# KiCad board V1.2.kicad_pcb (continued)
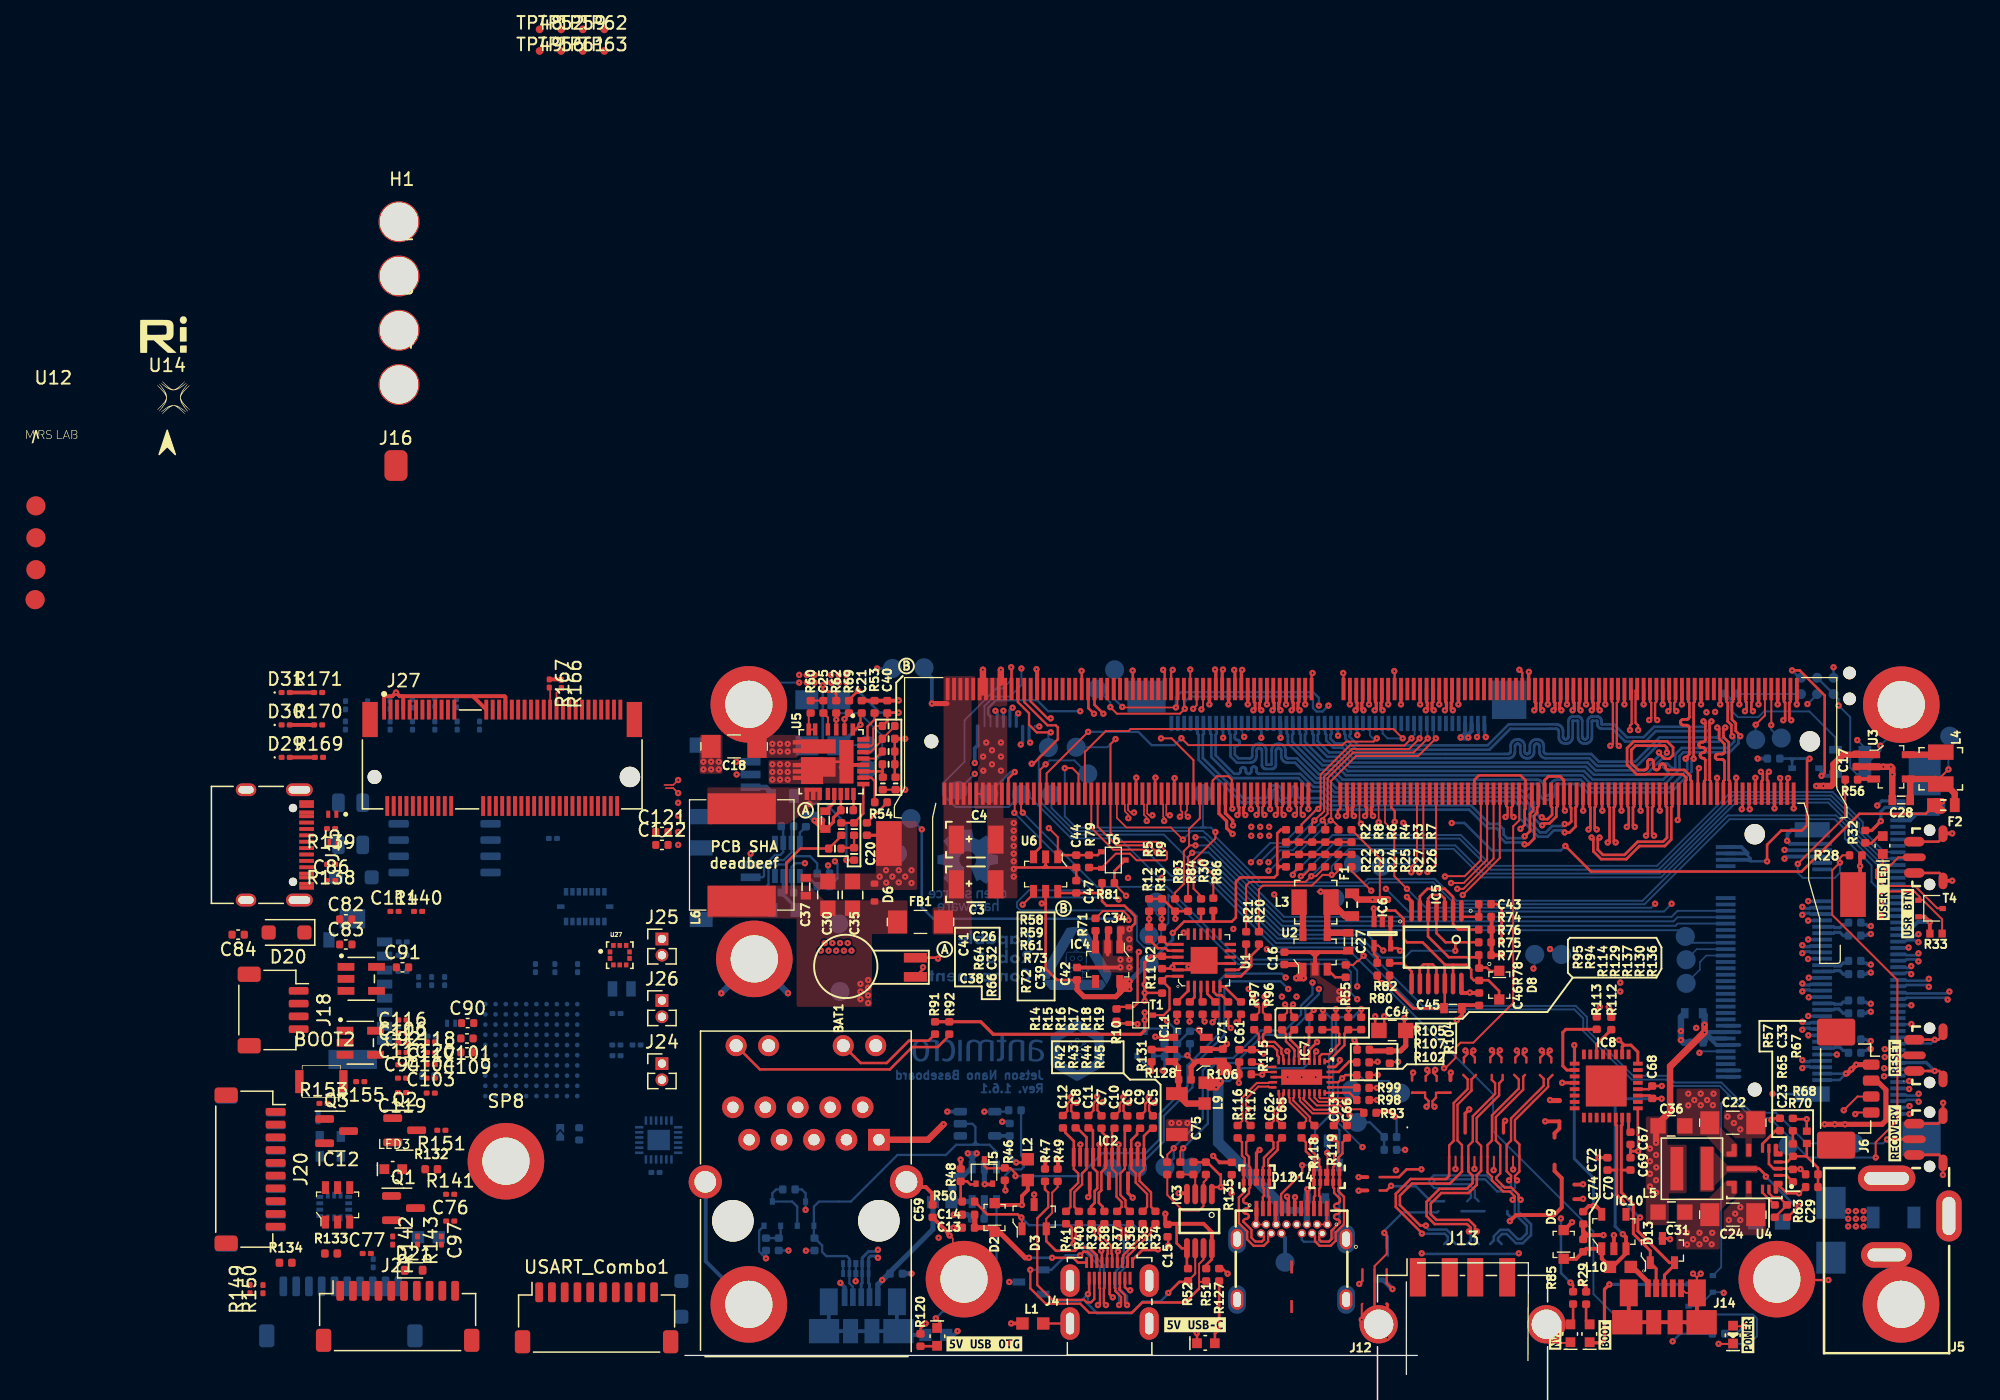
[diagram p0: board, top side]
## Routing (per net, layer and track width the routed paths; a pad name or vN(x,y) marks a point on that pad's centre or on a via; arc(x,y) is an arc through that point) (continued)
VDD_MOD: length 4
  Top w0.4: v1(19.33,52.55) 20.52,52.55
  Bottom w0.3: v1(19.33,52.55) 19.33,54.55 18.75,55.13
VIN:
  vias: v1(10.64,33.2) v1(10.94,33.8) v1(11.24,33.2) v1(11.44,54.8) v1(11.44,54.2) v1(11.54,33.8) v1(11.84,33.2) v1(12.04,54.8) v1(12.04,54.2) v1(12.14,33.8) v1(12.44,33.2) v1(12.64,54.8) v1(12.64,54.2) v1(12.74,33.8) v1(13.04,33.2) v1(91.09,12.8) v1(91.09,12.2) v1(91.09,11.6) v1(91.69,12.8) v1(91.69,12.2) v1(91.69,11.6) v1(92.29,12.8) v1(92.29,12.2) v1(92.29,11.6)
(no net): length 246.1
  Top w0.15: 54,8.24 54,8.49 54.95,9.44 54.95,9.94
  Top w0.18: 64.03,23.47 64.03,23.09 63.76,22.81 63.76,21.86 62,20.1 62,18.25 62.34,17.9 62.34,17.06 ; v1(65.16,15.2) 65,15.36 65,15.55 65.34,15.9 65.34,18.02 64.99,18.38 64.99,19.93 67.59,22.53 67.59,23.12 67.94,23.47 ; 58.81,22.08 58.81,21.69 58.54,21.41 58.54,21.06 58.62,20.97 v1(58.7,20.97) ; 57.96,22.08 57.96,21.69 58.23,21.41 58.23,21.06 58.14,20.97 v1(58.07,20.97) ; v1(64.53,15.2) 64.69,15.36 64.69,15.57 64.34,15.92 64.34,17.97 64.69,18.31 64.69,20.06 67.24,22.61 67.24,23.17 66.94,23.47 ; v1(54.77,11.09) 54.95,10.91 54.95,9.94 ; 59.84,17.06 59.84,17.95 60.19,18.3 60.19,21.26 61.29,22.36 61.29,23.12 60.94,23.47 ; 65.79,23.47 65.64,23.32 65.64,22.31 63.5,20.17 63.5,18.32 63.84,17.97 63.84,15.76 63.53,15.45 63.53,15.3 64.19,14.64 64.71,14.64 65.28,14.07 65.28,13.84 v1(65.44,13.68) ; 60.84,17.06 60.84,17.97 60.5,18.32 60.5,21.13 61.59,22.23 61.59,23.12 61.94,23.47 ; 64.93,23.47 65.29,23.11 65.29,22.4 63.19,20.3 63.19,18.32 62.84,17.97 62.84,15.82 63.19,15.48 63.19,15.21 64.07,14.34 64.59,14.34 64.97,13.95 64.97,13.84 v1(64.81,13.68) ; 54,8.24 54,3.89 ; 61.34,17.06 61.34,17.9 61.69,18.25 61.69,20.23 63.44,21.98 63.44,22.82 63.18,23.09 63.18,23.47
  Top w0.2: v1(62.02,11.21) 61.87,11.36 61.87,11.62 61.38,12.11 58.83,12.11 58.4,12.54 58.4,13.39 59.22,14.21 61.36,14.21 62.01,14.86 62.01,15.61 62.34,15.95 62.34,17.06 ; 54.4,14.41 54.93,14.41 v1(55.29,14.77) ; 61.34,17.06 61.34,16.24 61.35,16.23 61.35,15.9 61.68,15.57 61.68,14.99 61.23,14.54 59.09,14.54 58.07,13.53 58.07,12.41 58.7,11.78 61.24,11.78 61.54,11.49 61.54,11.36 v1(61.39,11.21) ; 59.84,17.06 59.84,15.55 59.6,15.31 56.83,15.31 55.66,14.14 55.66,13.12 57.72,11.06 57.71,11.04 v1(57.71,11.04) ; 60.84,17.06 60.84,15.9 59.9,14.96 56.93,14.96 55.98,14.01 55.98,13.26 57.58,11.66 v1(58.02,11.66) ; 56.94,22.06 56.96,22.08 57.94,22.08 ; v1(57.67,16.07) 56.51,16.07 55.9,15.46 54.4,15.46 ; 59.94,22.08 59.94,22.07 58.94,22.07
  Top w0.3: 68.09,16.44 68.09,15.94 68.65,15.38 68.65,13.07 68.07,12.49 65.07,12.49 v1(64.6,12.01) ; v1(67.36,19.83) 67.36,19.83 68.48,19.83 68.48,19.27 68.09,18.89 68.09,18.55 ; v1(59.97,23.65) 59.94,23.62 59.94,23.05
  In2.Cu w0.125: v1(58.7,20.97) 58.51,20.79 58.51,16.51 59.59,15.42 62.59,15.42 63.63,14.39 63.63,13.89 63.95,13.57 ; 63.05,13.57 63.38,13.89 63.38,14.28 62.49,15.17 59.49,15.17 58.26,16.4 58.26,20.79 v1(58.07,20.97)
  In2.Cu w0.2: v1(57.67,16.07) 57.67,14.92 58.39,14.2 59.89,14.2 60.35,13.74 60.35,13.57
  In2.Cu w0.3: v1(67.36,19.83) 69.42,21.89 69.42,23.35 68.81,23.95 60.28,23.95 v1(59.97,23.65)
  Bottom w0.18: 62.15,13.57 61.85,13.86 61.85,14.42 61.38,14.9 58.82,14.9 58.62,15.1 58.81,15.29 62.65,15.29 63.6,14.34 64.71,14.34 65,14.63 65,15.04 v1(65.16,15.2) ; 61.25,13.57 61.55,13.86 61.55,14.3 61.25,14.59 58.69,14.59 58.3,14.99 58.3,15.25 58.64,15.59 62.78,15.59 63.67,14.7 64.64,14.7 64.69,14.75 64.69,15.04 v1(64.53,15.2) ; v1(64.81,13.68) 64.97,13.52 64.97,12.59 65.09,12.47 ; v1(65.44,13.68) 65.28,13.52 65.28,12.74 65.42,12.6 ; 59,12.79 58.91,12.7 56.21,12.7 54.77,11.26 v1(54.77,11.09) 55.04,10.81 55.04,9.3
  Bottom w0.2: v1(62.02,11.21) 61.87,11.06 61.87,10.5 62.15,10.22 ; v1(58.02,11.66) 58.02,11.57 58.23,11.35 59.63,11.35 60.07,10.92 60.07,10.5 60.35,10.22 ; 63.95,10.22 63.67,10.5 63.67,10.69 63.98,11 64.35,11 65.07,10.28 65.61,10.28 66.25,10.92 66.25,11.77 65.42,12.6 ; v1(55.29,14.77) 55.32,14.75 57.22,14.75 58.41,13.57 59.45,13.57 ; v1(57.71,11.04) 57.71,11.04 57.72,11.06 57.76,11.02 59.5,11.02 59.74,10.78 59.74,10.5 59.45,10.22 ; 63.05,10.22 63.34,10.5 63.34,10.82 63.85,11.33 64.48,11.33 65.21,10.61 65.48,10.61 65.93,11.06 65.93,11.63 65.09,12.47 ; 61.25,10.22 61.54,10.5 61.54,11.06 v1(61.39,11.21)
  Bottom w0.22: v1(64.6,12.01) 64.65,12.07 64.65,12.33 64.4,12.58 64.4,12.79
#PWR_BUTTON: length 4.6
  Top w0.2: M1.240 25.32,46.68 v1(25.83,47.19)
  Bottom w0.18: TP13.1 25.49,47.19 v1(25.83,47.19)
#RECOVERY: length 78
  Top w0.15: M1.214 31.82,42.82 33.53,41.11 36.03,41.11 v1(36.24,40.9)
  Top w0.2: 96.27,18.43 94.16,18.43 v1(94.13,18.41)
  Bottom w0.15: 36.32,40.82 38.09,39.05 41.04,39.05 46.29,33.8 52.84,33.8 57.77,28.87 69.76,28.87 70.64,27.98 70.64,27 74.24,23.4 76.96,23.4 77.48,22.87 81.16,22.87 83.53,20.5 85.44,20.5 87.83,18.1 TP21.1 93.82,18.1 v1(94.13,18.41)
#RESET: length 168.6
  Top w0.15: v1(53.14,32.8) 52.72,32.37 52.62,32.37 52.33,32.08 R55.2 ; R71.2 32.72,36.3 34.34,36.3 34.74,35.9 v1(34.74,35.6) ; RST1.2 95.34,25 94.94,24.6 94.94,24.4 ; v1(87.14,40) 90.86,43.71 R56.2 ; 94.94,24.4 94.94,30.9 89.84,36 89.84,39.5 v1(90.44,40.1) 90.44,40.46 90.65,40.67 91.2,40.67 ; 94.94,24.4 94.94,19.88 93.24,18.18 v1(93.24,17)
  Top w0.2: v1(85.07,19.95) 85.02,20.06 85.65,20.06 ; M1.239 25.57,55.37 v1(25.54,55.4)
  In3_SIGNAL.Cu w0.15: v1(34.74,35.6) 37.34,38.2 v1(37.34,38.9)
  Bottom w0.15: 81.69,21.8 81.84,21.8 81.87,21.77 ; 81.69,21.8 81.62,21.72 ; 81.69,21.8 81.69,21.95 ; 26.79,45.45 TP10.1 25.34,44.45 21.19,44.45 20.19,45.45 20.19,46.3 21.89,48 21.89,51.24 24.4,53.75 24.89,53.75 25.54,54.4 v1(25.54,55.4) ; 26.79,45.45 26.74,45.5 ; 26.79,45.45 30.24,42 34.02,42 37.12,38.9 v1(37.34,38.9) 37.51,38.73 40.91,38.73 46.19,33.45 52.49,33.45 v1(53.14,32.8) 57.34,28.6 69.64,28.6 70.34,27.9 70.34,26.9 74.14,23.1 76.87,23.1 77.37,22.6 81.04,22.6 81.69,21.95 ; 81.62,21.72 81.14,21.25 81.14,8.4 T2.1 ; 81.62,21.72 81.77,21.87 ; v1(87.14,40) 87.14,39.3 87.54,38.9 90.04,38.9 90.44,39.3 v1(90.44,40.1) ; v1(93.24,17) 87.94,17 87.01,17.93 TP20.1 86.39,18.65 85.04,20 v1(85.07,19.95) 84.86,20.1 83.54,20.1 81.87,21.77 ; 81.87,21.77 81.77,21.87 ; 81.69,21.95 81.77,21.87
#SHUTDOWN_REQ: length 66
  Top w0.18: M1.233 27.07,52.72 28.39,51.4 v1(28.64,51.4)
  Top w0.2: 60.32,33.86 62.2,33.86 ; 60.32,33.86 59.55,33.86 58.85,34.56 IC5.4 ; 60.32,33.86 v1(60.32,33.19)
  In2.Cu w0.15: 32.24,46.5 32.24,46.3 ; 32.24,46.5 32.21,46.46 32.11,46.46 ; 32.24,46.5 32.24,46.65 ; 32.24,46.3 32.24,46.33 32.11,46.46 ; 32.24,46.3 32.24,41.4 34.69,38.94 v1(34.69,38.9) ; 32.24,46.65 32.24,48.2 29.04,51.4 v1(28.64,51.4) ; 32.24,46.65 32.24,46.6 32.11,46.46 ; 32.11,46.46 23.28,46.46 v1(22.69,47.05)
  In3_SIGNAL.Cu w0.15: v1(38.58,39.51) 36.91,39.51 35.62,38.22 35.37,38.22 v1(34.69,38.9)
  Bottom w0.15: v1(38.58,39.51) 38.7,39.4 41.14,39.4 46.39,34.15 53.01,34.15 54.5,32.66 56.36,32.66 56.89,33.19 v1(60.32,33.19) ; v1(22.69,47.05) TP11.1
/CSI/CAM0_SCL: length 35.4
  Top w0.15: 49.12,42.66 49.12,43.22 v1(49.3,43.4) 49.3,43.4 49.75,43.85 49.79,43.85 50.05,44.11 50.05,46.83 52.22,48.99 56.7,48.99 57.53,49.82 v1(57.53,49.83) ; v1(39.52,27.64) 39.54,27.66 39.54,28.22
  In5_3V3_SYS_SIGNAL.Cu w0.15: v1(39.52,27.64) 39.52,28.52 40.64,29.65 40.64,35.68 45.01,40.04 v1(45.01,40.12)
  Bottom w0.15: v1(49.3,43.4) 47.23,41.33 46.21,41.33 v1(45.01,40.12) ; 57.63,50.91 57.63,49.96 57.53,49.85
/CSI/CAM0_SDA: length 37
  Top w0.15: v1(56.89,49.83) 56.33,49.27 52.06,49.27 49.77,46.99 49.77,44.47 v1(49.6,44.3) 49.49,44.3 48.28,43.1 48.28,42.85 48.09,42.66 ; v1(38.52,27.64) 38.54,27.66 38.54,28.22
  In5_3V3_SYS_SIGNAL.Cu w0.15: v1(44.32,40.12) 44.32,39.92 40.18,35.78 40.18,29.8 38.52,28.13 v1(38.52,27.64)
  Bottom w0.15: v1(49.6,44.3) 49.56,44.3 46.88,41.62 45.82,41.62 v1(44.32,40.12) ; 56.89,49.85 56.89,49.87 57.14,50.11 57.14,50.91
/CSI/CAM1_SCL: length 35.8
  Top w0.15: 51.17,42.66 51.17,42.93 50.7,43.4 v1(50.57,43.4) 50.6,43.43 50.6,46.5 52.54,48.44 57.42,48.44 58.8,49.82 v1(58.8,49.83) ; 41.54,28.22 41.54,27.81 v1(41.31,27.59)
  In5_3V3_SYS_SIGNAL.Cu w0.15: v1(45.69,39.46) 41.75,35.53 41.75,29.31 41.31,28.87 v1(41.31,27.59)
  Bottom w0.15: v1(50.57,43.4) 50.57,43.4 47.95,40.78 47.09,40.78 45.78,39.46 v1(45.69,39.46) ; 58.78,49.82 58.63,49.97 58.63,50.91
/CSI/CAM1_SDA: length 35.3
  Top w0.15: 50.14,42.66 50.14,43.19 49.93,43.4 v1(49.93,43.4) 49.93,43.53 50.32,43.92 50.32,46.71 52.33,48.72 57.06,48.72 58.16,49.82 v1(58.16,49.83) ; v1(40.69,27.64) 40.54,27.8 40.54,28.22
  In5_3V3_SYS_SIGNAL.Cu w0.15: v1(40.69,27.64) 40.69,28.87 41.34,29.52 41.34,35.77 v1(45.69,40.12)
  Bottom w0.15: v1(49.93,43.4) 49.93,43.4 47.59,41.06 46.62,41.06 45.69,40.13 v1(45.69,40.12) ; 58.14,50.91 58.14,49.85 58.16,49.83
/CSI/CAM2_SCL: length 69.3
  Top w0.15: v1(47.6,39.13) 47.6,39.28 48.09,39.77
  Top w0.2: v1(43.18,27.58) 43.37,27.58 43.44,27.64 43.44,28.22
  In5_3V3_SYS_SIGNAL.Cu w0.15: v1(43.18,27.58) 43.29,27.69 43.29,33.4 47.6,37.7 v1(47.6,39.13)
  Bottom w0.15: v1(47.6,39.13) 50.72,42.25 60.77,42.25 63.17,39.84 76.13,39.84 81.21,44.92 81.91,45.62 89.87,45.62 92.23,43.26 92.23,42.62 93.93,40.92 94.84,40.92
/CSI/CAM2_SDA: length 70.9
  Top w0.15: 49.12,39.77 48.38,39.03 v1(48.23,39.03)
  Top w0.2: v1(42.73,27.14) 42.54,27.34 42.54,28.22
  In5_3V3_SYS_SIGNAL.Cu w0.15: v1(48.23,39.03) 48.23,37.84 43.69,33.3 43.69,27.15 43.49,26.95 42.93,26.95 v1(42.73,27.14)
  Bottom w0.15: 94.84,40.43 94.04,40.43 91.96,42.51 91.96,43.15 89.76,45.35 82.06,45.35 81.98,45.27 81.98,45.27 76.25,39.54 63.09,39.54 60.65,41.98 51.18,41.98 v1(48.23,39.03)
/CSI/CAM3_SCL: length 63.1
  Top w0.15: 50.14,39.77 49.4,39.03 v1(49.04,39.03) 48.59,38.58 44.23,38.58 43.94,38.3 R21.1
  Bottom w0.15: 94.84,39.92 94.15,39.92 91.68,42.39 91.68,43.03 89.64,45.07 82.17,45.07 76.33,39.23 62.53,39.23 60.32,41.44 51.46,41.44 v1(49.04,39.03)
/CSI/CAM3_SDA: length 62.5
  Top w0.15: 51.17,39.77 51.17,39.48 50.82,39.13 v1(50.64,39.13) 49.93,39.13 49.1,38.3 45.24,38.3 44.94,38 R20.1
  Bottom w0.15: v1(50.64,39.13) 50.64,39.82 51.99,41.16 60.2,41.16 62.43,38.93 76.42,38.93 82.28,44.8 89.53,44.8 91.41,42.92 91.41,42.28 94.28,39.41 J2.39 ; 94.84,39.43 94.29,39.43
/CSI/CAM_I2C_SCL: length 22.9
  Top w0.2: v1(32.76,51.76) 32.07,52.45 32.07,53.69 ; R9.2 37.36,35.7 v1(37.34,35.68) 37.36,35.65 R13.2
  In2.Cu w0.15: v1(32.76,51.76) 32.97,51.55 32.97,41.97 35.64,39.3 35.64,37.37 v1(37.34,35.68)
  Bottom w0.15: v1(37.34,35.68) 36.9,36.11 36.9,36.99
/CSI/CAM_I2C_SDA: length 22.5
  Top w0.2: 31.57,53.69 31.59,53.67 31.59,52.19 v1(32.03,51.76) ; R12.2 v1(36.34,35.68) R5.2
  In2.Cu w0.15: v1(36.34,35.68) 35.24,36.78 35.24,39.2 32.59,41.85 32.59,51.2 v1(32.03,51.76)
  Bottom w0.15: v1(36.34,35.68) 36.34,34.4 TP6.1
/CSI/CSI_A_CLK_N: length 43.3
  Top w0.21: M1.10 84.82,46.48 84.74,46.56 84.74,47.06 v1(84.88,47.21)
  In3_SIGNAL.Cu w0.138: 96.48,33.86 96.29,34.04 96.03,34.04 95.48,34.6 95.48,43.02 94.67,43.83 92.27,43.83 92.19,43.84 92.11,43.87 92.03,43.91 91.97,43.97 91.93,44.04 91.9,44.12 91.89,44.21 91.89,44.37 91.89,44.4 91.88,44.43 91.86,44.46 91.84,44.48 91.81,44.49 91.78,44.5 91.75,44.51 91.72,44.5 91.69,44.49 91.67,44.48 91.65,44.46 91.63,44.43 91.62,44.4 91.62,44.37 91.62,43.13 91.61,43.04 91.58,42.96 91.53,42.89 91.47,42.83 91.4,42.79 91.32,42.76 91.24,42.75 91.19,42.75 91.11,42.76 91.03,42.79 90.96,42.83 90.9,42.89 90.85,42.96 90.82,43.04 90.81,43.13 90.81,44.37 90.81,44.4 90.8,44.43 90.78,44.46 90.76,44.48 90.74,44.49 90.71,44.5 90.68,44.51 90.64,44.5 90.62,44.49 90.59,44.48 90.57,44.46 90.55,44.43 90.54,44.4 90.54,44.37 90.54,43.13 90.53,43.04 90.5,42.96 90.46,42.89 90.4,42.83 90.32,42.79 90.24,42.76 90.16,42.75 90.11,42.75 90.03,42.76 89.95,42.79 89.88,42.83 89.82,42.89 89.77,42.96 89.75,43.04 89.74,43.13 89.74,44.57 89.73,44.6 89.72,44.63 89.71,44.66 89.68,44.68 89.66,44.69 89.63,44.7 89.6,44.71 89.57,44.7 89.54,44.69 89.51,44.68 89.49,44.66 89.47,44.63 89.46,44.6 89.46,44.57 89.46,43.13 89.45,43.04 89.42,42.96 89.38,42.89 89.32,42.83 89.25,42.79 89.17,42.76 89.08,42.75 89.04,42.75 88.95,42.76 88.87,42.79 88.8,42.83 88.74,42.89 88.7,42.96 88.67,43.04 88.66,43.13 88.66,43.69 88.65,43.72 88.64,43.75 88.63,43.78 88.61,43.8 88.58,43.81 88.55,43.82 88.52,43.83 88.31,43.62 88.31,43.37 88.12,43.17 88.1,43.15 88.08,43.12 88.08,43.09 88.08,43.06 88.08,43.03 88.1,43 88.12,42.98 88.17,42.93 88.19,42.9 88.2,42.87 88.21,42.84 88.21,42.81 88.2,42.78 88.19,42.75 88.17,42.73 88.15,42.71 88.12,42.7 88.09,42.69 88.06,42.69 88.03,42.7 88,42.71 87.98,42.73 87.92,42.78 87.9,42.8 87.87,42.82 87.84,42.82 87.81,42.82 87.78,42.82 87.75,42.8 87.73,42.78 87.33,42.78 86.9,43.21 86.9,43.72 87.47,44.29 87.47,45.87 87.87,46.27 87.87,47.38 87.29,47.97 86.49,47.97 86.4,47.98 86.32,48.01 86.24,48.06 86.17,48.12 86.13,48.2 86.1,48.29 86.09,48.38 86.09,49 86.08,49.04 86.07,49.08 86.05,49.11 86.02,49.14 85.99,49.16 85.95,49.17 85.92,49.17 85.88,49.17 85.84,49.16 85.81,49.14 85.78,49.11 85.76,49.08 85.75,49.04 85.75,49 85.75,48.38 85.74,48.29 85.71,48.2 85.66,48.12 85.6,48.06 85.52,48.01 85.43,47.98 85.34,47.97 85.03,47.97 84.7,47.64 84.7,47.39 v1(84.88,47.21)
  Bottom w0.21: 94.84,33.92 95.57,33.92 95.66,34.01 96.33,34.01 96.48,33.86
  vias: v1(96.59,33.86)
/CSI/CSI_A_CLK_P: length 43.3
  Top w0.21: M1.12 84.32,46.48 84.4,46.56 84.4,47.06 v1(84.26,47.21)
  In3_SIGNAL.Cu w0.138: 96.48,34.49 96.29,34.31 96.14,34.31 95.74,34.71 95.74,43.12 94.77,44.09 92.29,44.09 92.26,44.09 92.23,44.1 92.21,44.12 92.18,44.14 92.17,44.17 92.16,44.2 92.15,44.23 92.15,44.39 92.15,44.48 92.12,44.56 92.07,44.63 92.01,44.69 91.94,44.73 91.86,44.76 91.78,44.77 91.73,44.77 91.65,44.76 91.57,44.73 91.49,44.69 91.44,44.63 91.39,44.56 91.36,44.48 91.35,44.39 91.35,43.15 91.35,43.12 91.34,43.09 91.32,43.06 91.3,43.04 91.27,43.03 91.25,43.01 91.21,43.01 91.18,43.01 91.15,43.03 91.13,43.04 91.11,43.06 91.09,43.09 91.08,43.12 91.08,43.15 91.08,44.39 91.07,44.48 91.04,44.56 90.99,44.63 90.93,44.69 90.86,44.73 90.78,44.76 90.7,44.77 90.65,44.77 90.57,44.76 90.49,44.73 90.42,44.69 90.36,44.63 90.31,44.56 90.28,44.48 90.27,44.39 90.27,43.15 90.27,43.12 90.26,43.09 90.24,43.06 90.22,43.04 90.2,43.03 90.17,43.01 90.14,43.01 90.11,43.01 90.08,43.03 90.05,43.04 90.03,43.06 90.01,43.09 90,43.12 90,43.15 90,44.59 89.99,44.68 89.96,44.76 89.92,44.83 89.86,44.89 89.78,44.93 89.7,44.96 89.62,44.97 89.57,44.97 89.49,44.96 89.41,44.93 89.34,44.89 89.28,44.83 89.23,44.76 89.21,44.68 89.2,44.59 89.2,43.15 89.19,43.12 89.18,43.09 89.17,43.06 89.14,43.04 89.12,43.03 89.09,43.01 89.06,43.01 89.03,43.01 89,43.03 88.97,43.04 88.95,43.06 88.93,43.09 88.92,43.12 88.92,43.15 88.92,43.71 88.91,43.8 88.88,43.88 88.84,43.95 88.78,44.01 88.71,44.05 88.63,44.08 88.54,44.09 88.41,44.09 88.05,43.73 88.05,43.48 87.62,43.05 87.44,43.05 87.16,43.32 87.16,43.61 87.73,44.18 87.73,45.76 88.14,46.17 88.14,47.49 87.39,48.23 86.52,48.23 86.48,48.24 86.44,48.25 86.41,48.27 86.38,48.3 86.36,48.33 86.35,48.37 86.35,48.4 86.35,49.03 86.34,49.12 86.31,49.21 86.26,49.28 86.2,49.35 86.12,49.4 86.03,49.43 85.94,49.44 85.89,49.44 85.8,49.43 85.72,49.4 85.64,49.35 85.57,49.28 85.53,49.21 85.5,49.12 85.49,49.03 85.49,48.4 85.48,48.37 85.47,48.33 85.45,48.3 85.42,48.27 85.39,48.25 85.35,48.24 85.32,48.23 84.92,48.23 84.44,47.75 84.44,47.39 v1(84.26,47.21)
  Bottom w0.21: 94.84,34.43 95.57,34.43 95.66,34.34 96.33,34.34 96.48,34.49
  vias: v1(96.59,34.49)
/CSI/CSI_A_D0_N: length 43.5
  Top w0.21: M1.4 86.32,46.65 v1(86.38,46.72)
  In3_SIGNAL.Cu w0.138: v1(96.59,32.36) 96.41,32.54 95.5,32.54 94.84,33.2 94.84,39.2 94.83,39.22 94.83,39.24 94.82,39.26 94.8,39.28 94.78,39.29 94.76,39.29 94.74,39.3 94.59,39.3 94.52,39.3 94.45,39.33 94.38,39.37 94.33,39.42 94.29,39.49 94.27,39.56 94.26,39.63 94.26,39.82 94.27,39.9 94.29,39.97 94.33,40.03 94.38,40.09 94.45,40.13 94.52,40.15 94.59,40.16 94.74,40.16 94.76,40.16 94.78,40.17 94.8,40.18 94.82,40.19 94.83,40.21 94.83,40.23 94.84,40.25 94.84,41.01 94.25,41.6 94.14,41.6 94.06,41.61 93.98,41.63 93.91,41.68 93.85,41.74 93.8,41.81 93.78,41.89 93.77,41.97 93.77,42.49 93.76,42.52 93.75,42.55 93.74,42.58 93.71,42.6 93.69,42.61 93.66,42.63 93.63,42.63 93.6,42.63 93.57,42.61 93.54,42.6 93.52,42.58 93.5,42.55 93.49,42.52 93.49,42.49 93.49,40.84 93.48,40.76 93.45,40.68 93.41,40.61 93.35,40.55 93.28,40.5 93.2,40.47 93.11,40.47 93.07,40.47 92.98,40.47 92.9,40.5 92.83,40.55 92.77,40.61 92.73,40.68 92.7,40.76 92.69,40.84 92.69,42.59 92.69,42.62 92.67,42.65 92.66,42.68 92.64,42.7 92.61,42.71 92.58,42.73 92.55,42.73 92.52,42.73 92.49,42.71 92.46,42.7 92.44,42.68 92.43,42.65 92.42,42.62 92.41,42.59 92.41,40.84 92.4,40.76 92.38,40.68 92.33,40.61 92.27,40.55 92.2,40.5 92.12,40.47 92.03,40.47 91.99,40.47 91.9,40.47 91.82,40.5 91.75,40.55 91.69,40.61 91.65,40.68 91.62,40.76 91.61,40.84 91.61,42.08 91.61,42.11 91.6,42.13 91.59,42.14 91.58,42.16 91.56,42.17 91.54,42.18 91.52,42.18 91.43,42.18 91.41,42.18 91.39,42.17 91.37,42.16 91.36,42.14 91.34,42.13 91.34,42.11 91.33,42.08 91.33,40.84 91.33,40.76 91.3,40.68 91.25,40.61 91.19,40.55 91.12,40.5 91.04,40.47 90.96,40.47 90.91,40.47 90.83,40.47 90.75,40.5 90.67,40.55 90.62,40.61 90.57,40.68 90.54,40.76 90.53,40.84 90.53,42.08 90.53,42.11 90.52,42.13 90.51,42.14 90.5,42.16 90.48,42.17 90.46,42.18 90.44,42.18 90.35,42.18 90.33,42.18 90.31,42.17 90.29,42.16 90.28,42.14 90.27,42.13 90.26,42.11 90.26,42.08 90.26,40.84 90.25,40.76 90.22,40.68 90.17,40.61 90.11,40.55 90.04,40.5 89.96,40.47 89.88,40.47 89.83,40.47 89.75,40.47 89.67,40.5 89.6,40.55 89.54,40.61 89.49,40.68 89.46,40.76 89.45,40.84 89.45,41.46 89.45,41.49 89.44,41.52 89.42,41.55 89.4,41.57 89.38,41.58 89.35,41.59 89.32,41.6 88.84,41.6 88.81,41.59 88.78,41.58 88.75,41.56 88.72,41.54 88.71,41.51 88.69,41.48 88.69,41.45 88.69,41.41 88.69,41.38 88.68,41.34 88.66,41.32 88.63,41.29 88.61,41.27 88.57,41.26 88.54,41.26 88.51,41.26 88.48,41.27 88.45,41.29 88.42,41.32 88.41,41.34 88.39,41.38 88.39,41.41 88.39,41.45 88.39,41.48 88.38,41.51 88.36,41.54 88.33,41.56 88.31,41.58 88.27,41.59 88.24,41.6 87.31,41.6 85.92,42.99 85.92,45.06 87.15,46.3 87.15,46.85 86.93,47.08 86.27,47.08 86.2,47.01 86.2,46.9 v1(86.38,46.72)
  Bottom w0.21: 94.84,32.43 95.57,32.43 95.66,32.51 96.45,32.51 v1(96.59,32.36)
/CSI/CSI_A_D0_P: length 42.3
  Top w0.21: M1.6 85.82,46.65 v1(85.76,46.72)
  In3_SIGNAL.Cu w0.138: v1(96.59,32.99) 96.41,32.81 95.61,32.81 95.1,33.31 95.1,39.22 95.09,39.3 95.07,39.37 95.03,39.43 94.97,39.49 94.91,39.53 94.84,39.55 94.76,39.56 94.61,39.56 94.59,39.56 94.57,39.57 94.55,39.58 94.54,39.59 94.53,39.61 94.52,39.63 94.52,39.65 94.52,39.8 94.52,39.82 94.53,39.84 94.54,39.86 94.55,39.88 94.57,39.89 94.59,39.89 94.61,39.9 94.76,39.9 94.84,39.9 94.91,39.93 94.97,39.97 95.03,40.02 95.07,40.09 95.09,40.16 95.1,40.23 95.1,41.12 94.36,41.86 94.17,41.86 94.14,41.86 94.11,41.87 94.08,41.89 94.06,41.91 94.04,41.94 94.03,41.97 94.03,42 94.03,42.51 94.02,42.6 93.99,42.68 93.95,42.75 93.89,42.81 93.82,42.85 93.74,42.88 93.65,42.89 93.61,42.89 93.52,42.88 93.44,42.85 93.37,42.81 93.31,42.75 93.27,42.68 93.24,42.6 93.23,42.51 93.23,40.87 93.22,40.84 93.21,40.81 93.2,40.78 93.18,40.76 93.15,40.74 93.12,40.73 93.09,40.73 93.06,40.73 93.03,40.74 93,40.76 92.98,40.78 92.97,40.81 92.96,40.84 92.95,40.87 92.95,42.61 92.94,42.7 92.91,42.78 92.87,42.85 92.81,42.91 92.74,42.95 92.66,42.98 92.57,42.99 92.53,42.99 92.44,42.98 92.36,42.95 92.29,42.91 92.23,42.85 92.19,42.78 92.16,42.7 92.15,42.61 92.15,40.87 92.15,40.84 92.14,40.81 92.12,40.78 92.1,40.76 92.07,40.74 92.04,40.73 92.01,40.73 91.98,40.73 91.95,40.74 91.93,40.76 91.9,40.78 91.89,40.81 91.88,40.84 91.87,40.87 91.87,42.11 91.87,42.18 91.84,42.25 91.8,42.32 91.75,42.37 91.68,42.41 91.61,42.43 91.54,42.44 91.41,42.44 91.33,42.43 91.26,42.41 91.2,42.37 91.14,42.32 91.1,42.25 91.08,42.18 91.07,42.11 91.07,40.87 91.07,40.84 91.06,40.81 91.04,40.78 91.02,40.76 90.99,40.74 90.96,40.73 90.93,40.73 90.9,40.73 90.87,40.74 90.85,40.76 90.83,40.78 90.81,40.81 90.8,40.84 90.8,40.87 90.8,42.11 90.79,42.18 90.76,42.25 90.72,42.32 90.67,42.37 90.61,42.41 90.53,42.43 90.46,42.44 90.33,42.44 90.25,42.43 90.18,42.41 90.12,42.37 90.07,42.32 90.03,42.25 90,42.18 89.99,42.11 ; 89.99,40.87 89.99,40.84 89.98,40.81 89.96,40.78 89.94,40.76 89.92,40.74 89.89,40.73 89.86,40.73 89.82,40.73 89.8,40.74 89.77,40.76 89.75,40.78 89.73,40.81 89.72,40.84 89.72,40.87 89.72,41.48 89.71,41.57 89.68,41.65 89.64,41.72 89.58,41.78 89.5,41.82 89.42,41.85 89.34,41.86 87.42,41.86 86.18,43.1 86.18,44.95 87.42,46.19 87.42,46.96 87.03,47.34 86.16,47.34 85.94,47.12 85.94,46.9 v1(85.76,46.72)
  Bottom w0.21: v1(96.59,32.99) 96.45,32.84 95.66,32.84 95.57,32.92 94.84,32.92
/CSI/CSI_A_D1_N: length 43.4
  Top w0.21: v1(83.38,44.28) 83.32,44.34 M1.16
  In3_SIGNAL.Cu w0.138: v1(83.38,44.28) 83.2,44.46 83.2,44.71 83.44,44.95 84.14,44.95 84.42,44.67 84.42,43.67 85.19,42.91 85.19,39.26 86,38.46 86.78,38.46 86.81,38.45 86.84,38.44 86.87,38.43 86.89,38.4 86.9,38.38 86.91,38.35 86.92,38.32 86.92,37.92 86.93,37.83 86.95,37.75 87,37.68 87.06,37.62 87.13,37.58 87.21,37.55 87.29,37.54 87.34,37.54 87.43,37.55 87.51,37.58 87.58,37.62 87.64,37.68 87.68,37.75 87.71,37.83 87.72,37.92 87.72,39.24 87.72,39.27 87.73,39.3 87.75,39.32 87.77,39.34 87.8,39.36 87.83,39.37 87.86,39.37 87.89,39.37 87.92,39.36 87.94,39.34 87.96,39.32 87.98,39.3 87.99,39.27 88,39.24 88,37.92 88,37.83 88.03,37.75 88.08,37.68 88.14,37.62 88.21,37.58 88.29,37.55 88.37,37.54 88.42,37.54 88.5,37.55 88.58,37.58 88.65,37.62 88.71,37.68 88.76,37.75 88.79,37.83 88.8,37.92 88.8,39.24 88.8,39.27 88.81,39.3 88.83,39.32 88.85,39.34 88.88,39.36 88.9,39.37 88.94,39.37 88.97,39.37 88.99,39.36 89.02,39.34 89.04,39.32 89.06,39.3 89.07,39.27 89.07,39.24 89.07,37.92 89.08,37.83 89.11,37.75 89.16,37.68 89.22,37.62 89.29,37.58 89.37,37.55 89.45,37.54 89.5,37.54 89.58,37.55 89.66,37.58 89.73,37.62 89.79,37.68 89.84,37.75 89.87,37.83 89.88,37.92 89.88,39.24 89.88,39.27 89.89,39.3 89.91,39.32 89.93,39.34 89.95,39.36 89.98,39.37 90.01,39.37 90.04,39.37 90.07,39.36 90.1,39.34 90.12,39.32 90.14,39.3 90.15,39.27 90.15,39.24 90.15,37.92 90.16,37.83 90.19,37.75 90.23,37.68 90.29,37.62 90.36,37.58 90.44,37.55 90.53,37.54 90.58,37.54 90.66,37.55 90.74,37.58 90.81,37.62 90.87,37.68 90.92,37.75 90.94,37.83 90.95,37.92 90.95,39.24 90.96,39.27 90.97,39.3 90.98,39.32 91,39.34 91.03,39.36 91.06,39.37 91.09,39.37 91.12,39.37 91.15,39.36 91.18,39.34 91.2,39.32 91.22,39.3 91.23,39.27 91.23,39.24 91.23,37.92 91.24,37.83 91.27,37.75 91.31,37.68 91.37,37.62 91.44,37.58 91.52,37.55 91.61,37.54 91.65,37.54 91.74,37.55 91.82,37.58 91.89,37.62 91.95,37.68 91.99,37.75 92.02,37.83 92.03,37.92 ; v1(96.02,31.36) 95.84,31.54 94.97,31.54 94.8,31.71 94.78,31.73 94.75,31.74 94.72,31.75 94.69,31.75 94.66,31.74 94.63,31.73 94.61,31.71 94.57,31.67 94.54,31.65 94.51,31.63 94.48,31.63 94.45,31.63 94.42,31.63 94.4,31.65 94.37,31.67 94.35,31.69 94.34,31.72 94.33,31.75 94.33,31.78 94.34,31.81 94.35,31.84 94.37,31.86 94.41,31.9 94.43,31.93 94.45,31.96 94.45,31.99 94.45,32.02 94.45,32.05 94.43,32.07 94.41,32.1 94.19,32.33 94.19,38 93.73,38.46 92.68,38.46 92.6,38.47 92.52,38.49 92.45,38.54 92.39,38.6 92.35,38.67 92.32,38.75 92.31,38.83 92.31,38.99 92.31,39.02 92.3,39.05 92.28,39.07 92.26,39.09 92.23,39.11 92.2,39.12 92.17,39.12 92.17,39.12 92.14,39.12 92.11,39.11 92.08,39.09 92.06,39.07 92.05,39.05 92.04,39.02 92.03,38.99 92.03,37.92
  Bottom w0.21: 94.84,31.43 95.57,31.43 95.66,31.51 95.88,31.51 v1(96.02,31.36)
/CSI/CSI_A_D1_P: length 43.4
  Top w0.21: v1(82.76,44.28) 82.82,44.34 M1.18
  In3_SIGNAL.Cu w0.138: v1(82.76,44.28) 82.94,44.46 82.94,44.82 83.33,45.22 84.25,45.22 84.69,44.78 84.69,43.78 85.45,43.02 85.45,39.37 86.11,38.72 86.8,38.72 86.89,38.71 86.97,38.68 87.04,38.64 87.1,38.58 87.14,38.51 87.17,38.43 87.18,38.34 87.18,37.94 87.18,37.91 87.19,37.88 87.21,37.85 87.23,37.83 87.26,37.82 87.29,37.81 87.32,37.8 87.35,37.81 87.38,37.82 87.4,37.83 87.43,37.85 87.44,37.88 87.45,37.91 87.46,37.94 87.46,39.26 87.47,39.34 87.49,39.42 87.54,39.49 87.6,39.55 87.67,39.6 87.75,39.63 87.83,39.64 87.88,39.64 87.96,39.63 88.04,39.6 88.12,39.55 88.18,39.49 88.22,39.42 88.25,39.34 88.26,39.26 88.26,37.94 88.26,37.91 88.27,37.88 88.29,37.85 88.31,37.83 88.34,37.82 88.37,37.81 88.4,37.8 88.43,37.81 88.46,37.82 88.48,37.83 88.5,37.85 88.52,37.88 88.53,37.91 88.53,37.94 88.53,39.26 88.54,39.34 88.57,39.42 88.62,39.49 88.68,39.55 88.75,39.6 88.83,39.63 88.91,39.64 88.96,39.64 89.04,39.63 89.12,39.6 89.19,39.55 89.25,39.49 89.3,39.42 89.33,39.34 89.34,39.26 89.34,37.94 89.34,37.91 89.35,37.88 89.37,37.85 89.39,37.83 89.41,37.82 89.44,37.81 89.47,37.8 89.5,37.81 89.53,37.82 89.56,37.83 89.58,37.85 89.6,37.88 89.61,37.91 89.61,37.94 89.61,39.26 89.62,39.34 89.65,39.42 89.69,39.49 89.75,39.55 89.83,39.6 89.91,39.63 89.99,39.64 90.04,39.64 90.12,39.63 90.2,39.6 90.27,39.55 90.33,39.49 90.38,39.42 90.4,39.34 90.41,39.26 90.41,37.94 90.42,37.91 90.43,37.88 90.44,37.85 90.47,37.83 90.49,37.82 90.52,37.81 90.55,37.8 90.58,37.81 90.61,37.82 90.64,37.83 90.66,37.85 90.68,37.88 90.69,37.91 90.69,37.94 90.69,39.26 90.7,39.34 90.73,39.42 90.77,39.49 90.83,39.55 90.9,39.6 90.98,39.63 91.07,39.64 91.11,39.64 91.2,39.63 91.28,39.6 91.35,39.55 91.41,39.49 91.45,39.42 91.48,39.34 91.49,39.26 91.49,37.94 91.5,37.91 91.51,37.88 91.52,37.85 91.54,37.83 91.57,37.82 91.6,37.81 91.63,37.8 91.66,37.81 91.69,37.82 91.72,37.83 91.74,37.85 91.75,37.88 91.76,37.91 91.77,37.94 91.77,39.01 91.78,39.09 91.81,39.17 91.85,39.24 91.91,39.3 91.98,39.35 92.06,39.38 92.15,39.39 92.2,39.39 92.28,39.38 92.36,39.35 92.43,39.3 92.49,39.24 92.53,39.17 92.56,39.09 92.57,39.01 92.57,38.86 92.58,38.83 92.59,38.8 92.6,38.77 92.62,38.75 92.65,38.73 92.68,38.72 92.71,38.72 93.84,38.72 94.45,38.11 94.45,32.44 95.08,31.81 95.84,31.81 v1(96.02,31.99)